# Altium PCB PowCarbinBoard.PcbDoc (continued)
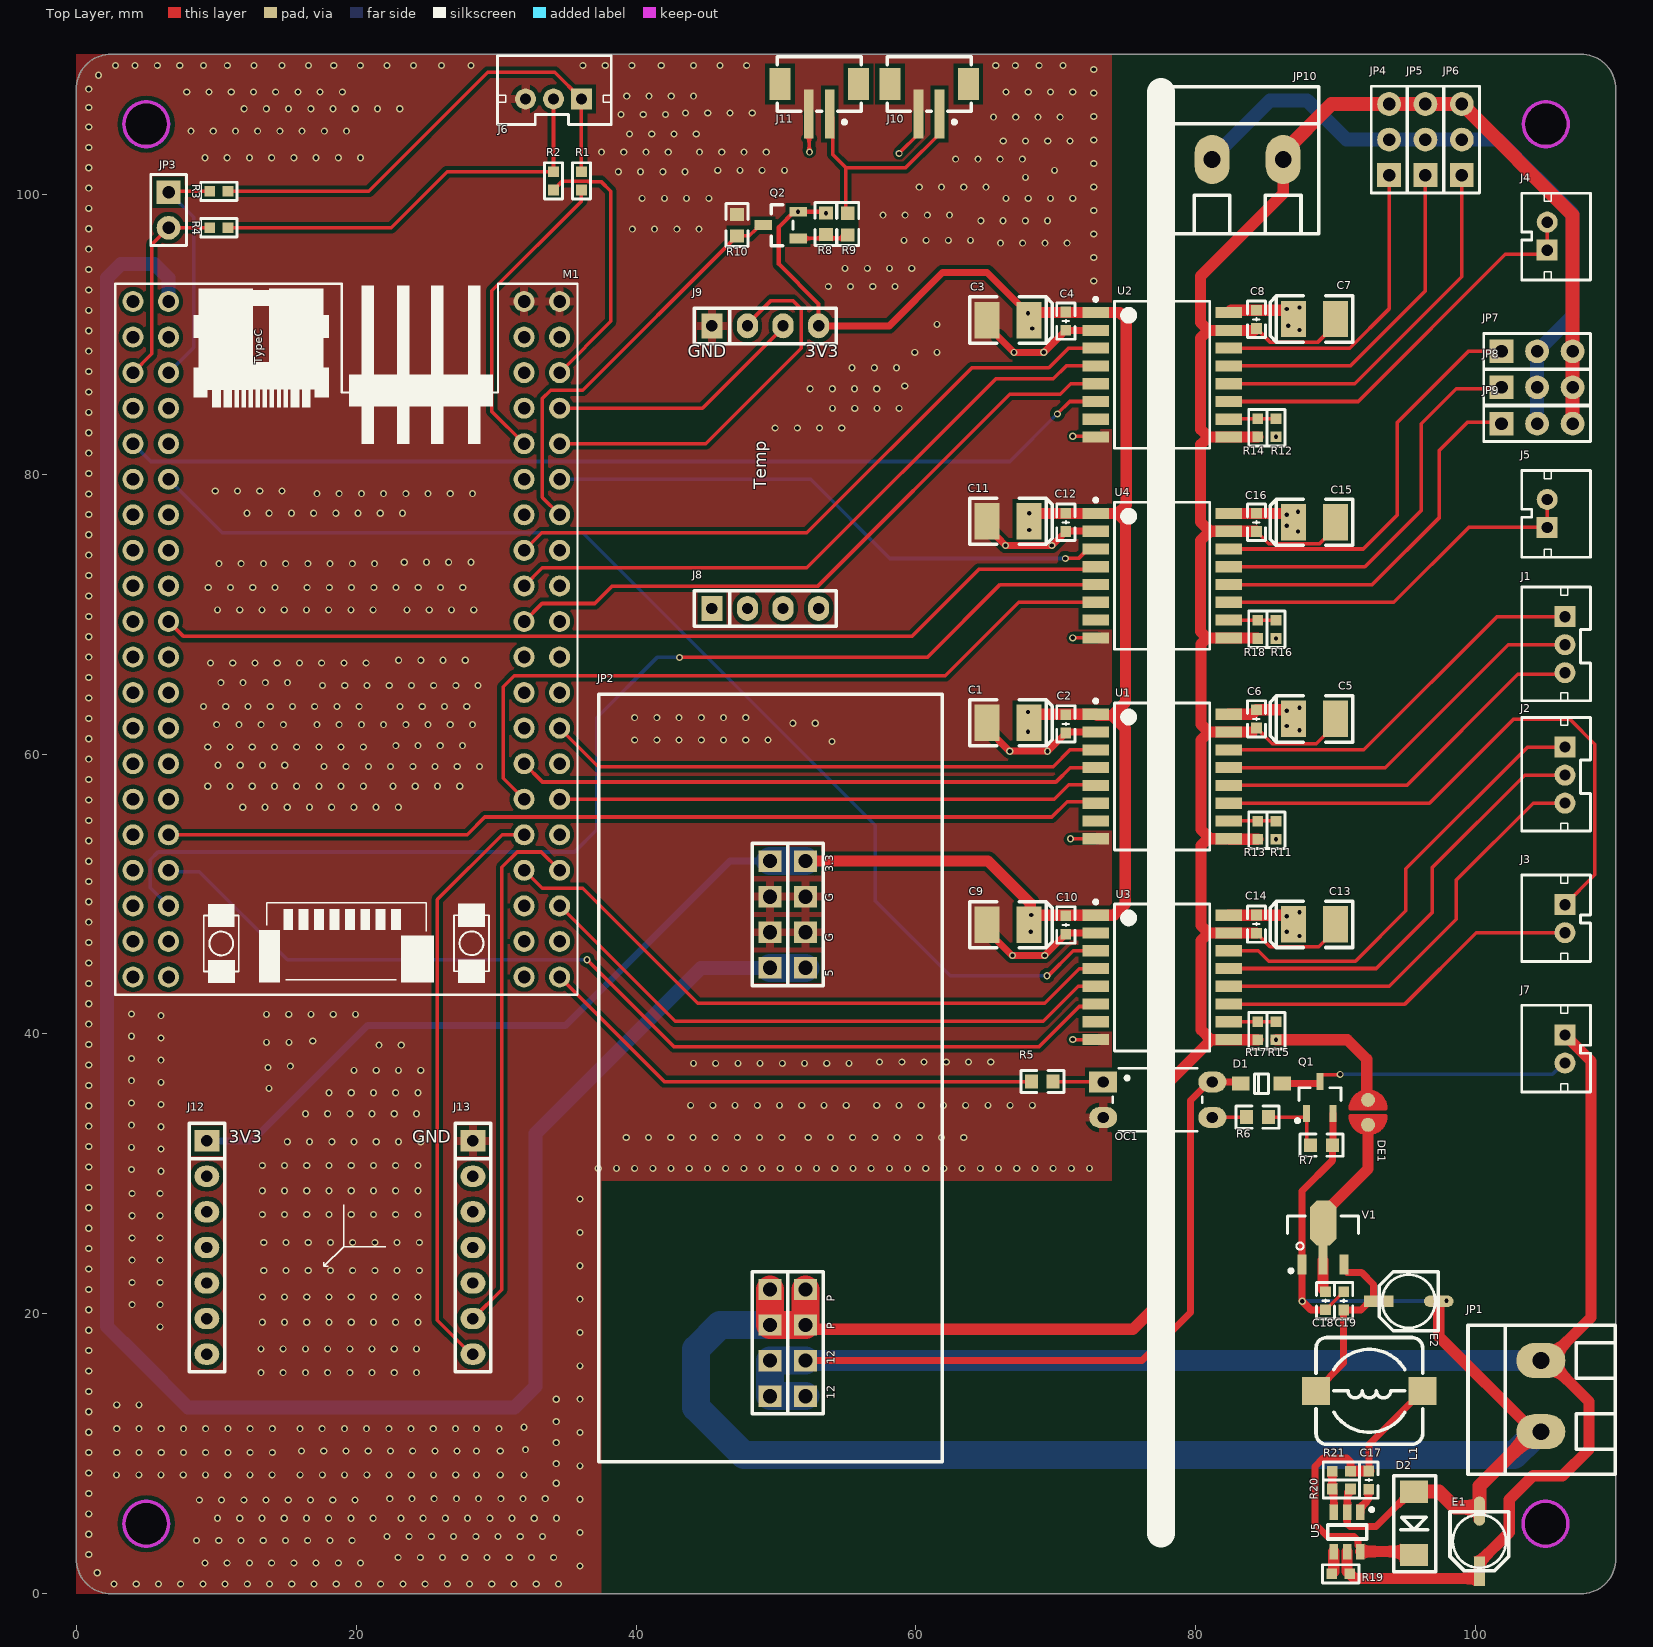
[diagram p0: Top Layer view]
## Nets (pads, with @x,y where several pads share a name; then routed paths per layer and width w, separated by ;. In a path a pad name is that pad's centre, name@x,y a point inside that pad or via, vN(x,y) a via of type N, cw(c..) or ccw(c..) an arc to the next point about the centre after c; other vN are vias at no path point)
3V3: C1.1 C2.2 C3.1 C4.2 C9.1 C10.2 C11.1 C12.2 J9.4 J12.1 JP2.12 JP2.13 Q2.2 R8.2 U1.1 U2.1 U3.1 U4.1 | length 170.7
  Top Layer w0.254: Q2.2@51.298,98.74 v1(51.573,98.74) ; JP2.12 JP2.12@52.735,51.712 ; R8.2@53.473,98.74 v1(53.569,98.644) ; C3.1@67.974,91.5 v1(68,91.5) ; C11.1 C11.1@68.628,77.187 ; C3.1 C3.1@68.603,91.538 ; C9.1@68.168,48.576 v1(68.244,48.5)
  Top Layer w0.3: Q2.2@51.298,98.74 50.2,97.642 50.2,95 53.04,92.16 J9.4 ; v1(51.573,98.74) R8.2@53.473,98.74
  Top Layer w0.5: J9.4 58.093,90.593 61.9,94.4 65.074,94.4 C3.1@67.974,91.5
  Top Layer w0.8: JP2.12 65.153,52.347 68.168,49.332 C9.1@68.168,48.576 ; C9.1 68.755,48.485 U3.1 74.138,48.485 74.951,49.298 74.951,61.82 74.025,62.747 ; C1.1 68.679,62.836 U1.1 72.933,62.747 74.025,62.747 ; C3.1@68.603,91.538 U2.1 73.884,91.538 73.896,91.55 74.559,91.55 75.027,91.081 75.027,77.797 74.418,77.187 74.977,76.629 74.977,63.698 74.025,62.747 ; C11.1@68.628,77.187 U4.1 73.627,77.187 73.628,77.188 74.417,77.188
  Bottom Layer w0.5: J12.1 12.565,32.365 20.8,40.6 34.962,40.6 46.709,52.347 JP2.13
  Bottom Layer w2: JP2.13 JP2.12
  other v1: 68.2,47.3 68,61.6 68,63 68.1,76 68.1,77.2 68.3,90.4
5V: JP2.9 JP2.16 M1.42 | length 157.7
  Bottom Layer w1: M1.42 6.6,94 5.605,94.995 3.195,94.995 2.2,94 2.2,19.1 4.4,16.9 8,13.3 31.3,13.3 32.8,14.8 32.8,32.9 44.627,44.727 JP2.16
  Bottom Layer w2: JP2.16 JP2.9
+3V3P: C5.1 C6.2 C7.1 C8.2 C13.1 C14.2 C15.1 C16.2 DE1.2 R11.2 R12.2 R15.2 R16.2 U1.16 U2.16 U3.16 U4.16 | length 30.5
  Top Layer w0.254: C13.1@86.305,48.485 C13.1 ; v1(86.5,77.1) 86.964,76.636 C15.1 ; 92.2,35.92 92.2,35.389 DE1.2
  Top Layer w0.8: U3.16 C13.1@86.305,48.485 ; U1.16 84.004,62.836 C6.2 86.315,63.156 C5.1 ; U4.16 86.329,77.187 C15.1 ; U2.16 82.51,91.706 C8.2 86.339,91.706 C7.1 ; v1(85.721,39.58) 90.82,39.58 92.2,38.2 92.2,35.92
  other v1: 87.4,47 86.5,47.3 86.5,48.4 87.4,48.7 85.721,53.906 87.4,61.7 86.5,62 86.5,63.1 87.4,63.3 85.721,68.257 87.3,75.9 86.5,76.3 87.3,77.3 85.721,82.659 87.4,90.3 86.6,90.6 86.5,91.8 87.4,91.9
+6: JP4.2 JP5.2 JP6.2 JP7.2 JP8.2 JP9.2 JP10.1 | length 46.9
  Bottom Layer w1: JP10.1 81.16,102.56 85.295,106.695 87.954,106.695 90.749,103.9 JP4.2 JP5.2 JP6.2 101.6,103.9 106.9,98.6 106.9,91.297 JP7.2 JP8.2 JP9.2
+12P: D1.2 E1.1 J7.1 JP1.2 JP2.1 JP2.2 JP2.7 JP2.8 OC1.4 R19.1 U5.5 | length 166.7
  Top Layer w0.254: OC1.4@80.924,36.573 OC1.4 ; D1.2@83.077,36.573 D1.2 ; R19.1@90.805,1.615 R19.1 ; E1.1 E1.1@100.254,2.259 ; JP1.2 JP1.2@105.148,16.662
  Top Layer w0.5: JP2.2 76.16,16.66 79.6,20.1 79.6,35.249 OC1.4@80.924,36.573 ; OC1.4 D1.2@83.077,36.573
  Top Layer w0.8: R19.1@90.805,1.615 U5.5 ; R19.1 91.32,1.1 100.254,1.1 E1.1 ; E1.1@100.254,2.259 102.387,4.393 102.387,6.731 104.089,8.433 106.197,8.433 108.077,10.312 108.077,13.733 105.148,16.662 108.229,19.744 108.229,38.056 J7.1
  Bottom Layer w0.254: JP2.2 JP2.2@52.102,16.662 ; OC1.4 OC1.4@81.327,36.573
  Bottom Layer w1.5: JP2.2@52.102,16.662 JP1.2
  Bottom Layer w2: JP2.1 JP2.8 JP2.7 JP2.2
GND: C1.2 C2.1 C3.2 C4.1 C9.2 C10.1 C11.2 C12.1 J6.3 J9.1 J10.2 J11.2 J13.1 JP2.10 JP2.11 JP2.14 JP2.15 M1.1 M1.2 OC1.2 R10.1 U1.2 U1.8 U2.2 U2.8 U3.2 U3.8 U4.2 U4.8 | length 51.9
  Top Layer w0.254: J11.2 52.369,105.696 52.369,103.031 v1(52.4,103) ; v1(58.8,102.9) 58.8,102.941 60.186,104.327 J10.2 ; C3.2 65.069,90.605 65.842,89.832 C3.2@65.868,89.832 ; C4.1 C4.1@70.72,90.268 ; v2@71,53.9 v2(71.046,53.946) U1.8 ; v2(71.2,39.6) U3.8@72.996,39.6 ; v2(71.2,68.3) U4.8@72.996,68.3 ; v2(71.2,82.7) U2.8@72.996,82.7 ; U3.8@72.293,39.595 U3.8
  Top Layer w0.5: C9.2 65.069,47.4 66.869,45.6 69.175,45.6 C10.1 70.79,47.215 U3.2 ; C1.2 65.069,61.827 v1(66.696,60.2) 69.409,60.2 C2.1 70.775,61.566 U1.2 ; C11.2 65.069,76.229 65.842,75.456 65.844,75.456 v1(66.4,74.9) v1(69.707,74.9) C12.1 70.725,75.917 U4.2 ; C3.2@65.868,89.832 v1(67,88.7) 69.123,88.7 69.127,88.704 v1(69.129,88.704) ; v1@69.131,88.7 C4.1 ; C4.1@70.72,90.268 U2.2
  Bottom Layer w0.254: v1@58.631,103 58.731,102.9 v1(58.8,102.9)
  other v1: 2.7,0.7 4.288,0.7 5.876,0.7 7.463,0.7 9.051,0.7 10.639,0.7 12.227,0.7 13.815,0.7 15.402,0.7 16.99,0.7 18.578,0.7 20.166,0.7 21.754,0.7 23.341,0.7 24.929,0.7 26.517,0.7 28.105,0.7 29.693,0.7 31.28,0.7 32.868,0.7 34.456,0.7 1.5,1.5 36,1.991 9.2,2.2 10.788,2.2 12.376,2.2 13.963,2.2 15.551,2.2 17.139,2.2 18.727,2.2 20.315,2.2 23,2.6 24.588,2.6 26.176,2.6 27.763,2.6 29.351,2.6 30.939,2.6 32.527,2.6 34.115,2.6 0.9,2.8 8.6,3.8 10.188,3.8 11.776,3.8 13.363,3.8 14.951,3.8 16.539,3.8 18.127,3.8 19.715,3.8 22.2,4.1 23.788,4.1 25.376,4.1 26.963,4.1 28.551,4.1 30.139,4.1 31.727,4.1 33.315,4.1 0.9,4.258 36,4.374 10.1,5.4 11.688,5.4 13.276,5.4 14.863,5.4 16.451,5.4 18.039,5.4 19.627,5.4 21.215,5.4 23.2,5.4 24.788,5.4 26.376,5.4 27.963,5.4 29.551,5.4 31.139,5.4 32.727,5.4 34.315,5.4 0.9,5.715 8.8,6.7 10.388,6.7 11.976,6.7 13.563,6.7 15.151,6.7 16.739,6.7 18.327,6.7 19.915,6.7 36,6.757 22.4,6.8 23.988,6.8 25.576,6.8 27.163,6.8 28.751,6.8 30.339,6.8 31.927,6.8 33.515,6.8 0.9,7.173 34.3,7.9 2.885,8.5 4.473,8.5 6.061,8.5 7.649,8.5 9.237,8.5 10.824,8.5 12.412,8.5 14,8.5 16,8.5 17.588,8.5 19.176,8.5 20.763,8.5 22.351,8.5 23.939,8.5 25.527,8.5 27.115,8.5 28.6,8.5 30.3,8.5 32,8.5 0.9,8.63 36,9.139 34.3,9.3 0.9,10.088 2.9,10.1 4.488,10.1 6.076,10.1 7.663,10.1 9.251,10.1 10.839,10.1 12.427,10.1 14.015,10.1 16.1,10.2 17.688,10.2 19.276,10.2 20.863,10.2 22.451,10.2 24.039,10.2 25.627,10.2 27.215,10.2 28.6,10.2 30.3,10.2 32.1,10.3 34.3,10.8 36,11.522 0.9,11.545 2.9,11.8 4.488,11.8 6.076,11.8 7.663,11.8 9.251,11.8 10.839,11.8 12.427,11.8 14.015,11.8 15.985,11.8 17.573,11.8 19.161,11.8 20.749,11.8 22.337,11.8 23.924,11.8 25.512,11.8 27.1,11.8 28.6,11.8 30.2,11.8 32,11.9 34.3,12.3 0.9,13.003 2.9,13.5 4.488,13.5 34.3,13.9 36,13.904 0.9,14.461 13.2,15.8 14.788,15.8 16.376,15.8 17.963,15.8 19.551,15.8 21.139,15.8 22.727,15.8 24.315,15.8 0.9,15.918 36,16.287 0.9,17.376 13.2,17.5 14.788,17.5 16.376,17.5 17.963,17.5 19.551,17.5 21.139,17.5 22.727,17.5 24.315,17.5 36,18.67 0.9,18.833 6,19.073 13.3,19.4 14.888,19.4 16.476,19.4 18.063,19.4 19.651,19.4 21.239,19.4 22.827,19.4 24.415,19.4 0.9,20.291 4,20.661 6,20.661 36,21.052 13.3,21.2 14.888,21.2 16.476,21.2 18.063,21.2 19.651,21.2 21.239,21.2 22.827,21.2 24.415,21.2 0.9,21.748 4,22.249 6,22.249 13.4,23.1 14.988,23.1 16.576,23.1 18.163,23.1 19.751,23.1 21.339,23.1 22.927,23.1 24.515,23.1 0.9,23.206 36,23.435 4,23.837 6,23.837 0.9,24.664 13.4,25.1 14.988,25.1 16.576,25.1 18.163,25.1 19.751,25.1 21.339,25.1 22.927,25.1 24.515,25.1 4,25.424 6,25.424 36,25.817 0.9,26.121 4,27.012 6,27.012 13.3,27.1 14.888,27.1 16.476,27.1 18.063,27.1 19.651,27.1 21.239,27.1 22.827,27.1 24.415,27.1 0.9,27.579 36,28.2 4,28.6 6,28.6 13.3,28.8 14.888,28.8 16.476,28.8 18.063,28.8 19.651,28.8 21.239,28.8 22.827,28.8 24.415,28.8 0.9,29.036 6.054,30.19 3.954,30.31 37.3,30.4 38.6,30.4 39.9,30.4 41.2,30.4 42.5,30.4 43.8,30.4 45.1,30.4 46.4,30.4 47.7,30.4 49,30.4 50.3,30.4 51.6,30.4 52.9,30.4 54.2,30.4 55.5,30.4 56.8,30.4 58.1,30.4 59.4,30.4 60.7,30.4 62,30.4 63.3,30.4 64.6,30.4 65.9,30.4 67.2,30.4 68.5,30.4 69.8,30.4 71.1,30.4 72.4,30.4 0.9,30.494 13.3,30.6 14.888,30.6 16.476,30.6 18.063,30.6 19.651,30.6 21.239,30.6 22.827,30.6 24.415,30.6 6.054,31.778 3.954,31.898 0.9,31.951 15.088,32.3 16.676,32.3 18.263,32.3 19.851,32.3 21.439,32.3 23.027,32.3 24.615,32.3 39.3,32.6 40.888,32.6 42.476,32.6 44.063,32.6 45.651,32.6 47.239,32.6 48.827,32.6 50.415,32.6 52.3,32.6 53.888,32.6 55.476,32.6 57.063,32.6 58.651,32.6 60.239,32.6 61.827,32.6 63.415,32.6 6.054,33.365 0.9,33.409 3.954,33.486 16.376,34.3 17.963,34.3 19.551,34.3 21.139,34.3 22.727,34.3 24.315,34.3 0.9,34.867 43.9,34.9 45.488,34.9 47.076,34.9 48.663,34.9 50.251,34.9 51.839,34.9 53.427,34.9 55.015,34.9 57.2,34.9 58.788,34.9 60.376,34.9 61.963,34.9 63.551,34.9 65.139,34.9 66.727,34.9 68.315,34.9 6.054,34.953 3.954,35.074 18.063,35.8 19.651,35.8 21.239,35.8 22.827,35.8 24.415,35.8 13.77,36.114 0.9,36.324 6.054,36.541 3.954,36.661 19.851,37.4 21.439,37.4 23.027,37.4 24.615,37.4 13.7,37.6 15.3,37.7 0.9,37.782 44.1,37.9 45.688,37.9 47.276,37.9 48.863,37.9 50.451,37.9 52.039,37.9 53.627,37.9 55.215,37.9 57.4,38 58.988,38 60.576,38 62.163,38 63.751,38 65.339,38 6.054,38.129 3.954,38.249 21.639,39.2 23.227,39.2 0.9,39.239 13.6,39.4 15.2,39.4 16.9,39.5 6.054,39.717 3.954,39.837 0.9,40.697 6.054,41.304 13.6,41.4 15.188,41.4 16.776,41.4 18.363,41.4 19.951,41.4 3.954,41.425 0.9,42.154 0.9,43.612 0.9,45.07 66.9,45.6 69.2,45.6 0.9,46.527 0.9,47.985 0.9,49.442 0.9,50.9 0.9,52.342 0.9,53.8 0.9,55.258 11.9,56.2 13.488,56.2 15.076,56.2 16.663,56.2 18.251,56.2 19.839,56.2 21.427,56.2 23.015,56.2 0.9,56.715 9.4,57.7 10.988,57.7 12.576,57.7 14.163,57.7 15.751,57.7 17.339,57.7 18.927,57.7 20.515,57.7 22.637,57.7 24.224,57.7 25.812,57.7 27.4,57.7 0.9,58.173 17.7,59.1 19.288,59.1 20.876,59.1 22.463,59.1 24.051,59.1 25.639,59.1 27.227,59.1 28.815,59.1 10.137,59.2 11.724,59.2 13.312,59.2 14.9,59.2 0.9,59.63 69.4,60.2 9.4,60.5 10.988,60.5 12.576,60.5 14.163,60.5 15.751,60.5 17.339,60.5 18.927,60.5 20.515,60.5 22.837,60.6 24.424,60.6 26.012,60.6 27.6,60.6 54,60.9 39.9,61 41.488,61 43.076,61 44.663,61 46.251,61 47.839,61 49.427,61 0.9,61.088 10.037,62.1 11.624,62.1 13.212,62.1 14.8,62.1 17.2,62.1 18.788,62.1 20.376,62.1 21.963,62.1 23.551,62.1 25.139,62.1 26.727,62.1 28.315,62.1 51.2,62.2 52.8,62.2 0.9,62.545 39.9,62.6 41.488,62.6 43.076,62.6 44.663,62.6 46.251,62.6 47.839,62.6 9.1,63.4 10.688,63.4 12.276,63.4 13.863,63.4 15.451,63.4 17.039,63.4 18.627,63.4 20.215,63.4 23.137,63.4 24.724,63.4 26.312,63.4 27.9,63.4 0.9,64.003 17.6,64.9 19.188,64.9 20.776,64.9 22.363,64.9 23.951,64.9 25.539,64.9 27.127,64.9 28.715,64.9 10.337,65.1 11.924,65.1 13.512,65.1 15.1,65.1 0.9,65.461 9.6,66.5 11.188,66.5 12.776,66.5 14.363,66.5 15.951,66.5 17.539,66.5 19.127,66.5 20.715,66.5 23.037,66.7 24.624,66.7 26.212,66.7 27.8,66.7 0.9,66.918 0.9,68.376 0.9,69.833 10.1,70.3 11.688,70.3 13.276,70.3 14.863,70.3 16.451,70.3 18.039,70.3 19.627,70.3 21.215,70.3 23.637,70.3 25.224,70.3 26.812,70.3 28.4,70.3 0.9,71.291 9.437,71.9 11.024,71.9 12.612,71.9 14.2,71.9 16.5,71.9 18.088,71.9 19.676,71.9 21.263,71.9 22.851,71.9 24.439,71.9 26.027,71.9 27.615,71.9 0.9,72.748 10.2,73.6 11.788,73.6 13.376,73.6 14.963,73.6 16.551,73.6 18.139,73.6 19.727,73.6 21.315,73.6 23.437,73.7 25.024,73.7 26.612,73.7 28.2,73.7 0.9,74.206 0.9,75.664 0.9,77.121 12.2,77.2 13.788,77.2 15.376,77.2 16.963,77.2 18.551,77.2 20.139,77.2 21.727,77.2 23.315,77.2 0.9,78.579 17.2,78.6 18.788,78.6 20.376,78.6 21.963,78.6 23.551,78.6 25.139,78.6 26.727,78.6 28.315,78.6 9.937,78.8 11.524,78.8 13.112,78.8 14.7,78.8 0.9,80.036 0.9,81.494 0.9,82.951 49.937,83.3 51.524,83.3 53.112,83.3 54.7,83.3 0.9,84.409 54.037,84.7 55.624,84.7 57.212,84.7 58.8,84.7 0.9,85.867 52.437,86.1 54.024,86.1 55.612,86.1 57.2,86.1 59.2,86.3 0.9,87.324 55.437,87.6 57.024,87.6 58.612,87.6 59.912,88.7 61.5,88.7 0.9,88.782 0.9,90.239 61.5,90.7 0.9,91.697 0.9,93.154 53.737,93.4 55.324,93.4 56.912,93.4 58.5,93.4 72.7,93.8 0.9,94.612 54.937,94.7 56.524,94.7 58.112,94.7 59.7,94.7 72.7,95.478 0.9,96.07 66.037,96.5 67.624,96.5 69.212,96.5 70.8,96.5 59.137,96.7 60.724,96.7 62.312,96.7 63.9,96.7 72.7,97.156 39.737,97.5 41.324,97.5 42.912,97.5 44.5,97.5 0.9,97.527 64.637,98.1 66.224,98.1 67.812,98.1 69.4,98.1 57.637,98.5 59.224,98.5 60.812,98.5 62.4,98.5 72.7,98.833 0.9,98.985 40.437,99.7 42.024,99.7 43.612,99.7 45.2,99.7 66.437,99.7 68.024,99.7 69.612,99.7 71.2,99.7 0.9,100.427 60.237,100.5 61.824,100.5 63.412,100.5 65,100.5 72.7,100.511 67.824,101.2 38.737,101.6 40.324,101.6 41.912,101.6 43.5,101.6 45.837,101.7 47.424,101.7 49.012,101.7 50.6,101.7 69.9,101.7 0.9,101.885 72.7,102.189 62.837,102.5 64.424,102.5 66.012,102.5 67.6,102.5 9.2,102.6 10.788,102.6 12.376,102.6 13.963,102.6 15.551,102.6 17.139,102.6 18.727,102.6 20.315,102.6 37.537,103 39.124,103 40.712,103 42.3,103 44.537,103 46.124,103 47.712,103 49.3,103 0.9,103.342 66.237,103.8 67.824,103.8 69.412,103.8 71,103.8 72.7,103.867 39.537,104.3 41.124,104.3 42.712,104.3 44.3,104.3 8.2,104.5 9.788,104.5 11.376,104.5 12.963,104.5 14.551,104.5 16.139,104.5 17.727,104.5 19.315,104.5 0.9,104.8 65.537,105.5 67.124,105.5 68.712,105.5 70.3,105.5 72.7,105.544 38.924,105.7 40.512,105.7 42.1,105.7 43.537,105.8 45.124,105.8 46.712,105.8 48.3,105.8 12,106.1 13.588,106.1 15.176,106.1 16.763,106.1 18.351,106.1 19.939,106.1 21.527,106.1 23.115,106.1 39.337,107 40.924,107 42.512,107 44.1,107 72.7,107.222 7.9,107.3 9.488,107.3 11.076,107.3 12.663,107.3 14.251,107.3 15.839,107.3 17.427,107.3 19.015,107.3 66.437,107.3 68.024,107.3 69.612,107.3 71.2,107.3 72.7,108.9
  other v2: 0.9,106.2 0.9,107.5 1.6,108.5 2.8,109.2 4.2,109.2 5.8,109.2 7.4,109.2 9.1,109.2 10.8,109.2 12.7,109.2 14.7,109.2 16.6,109.2 18.4,109.2 20.3,109.2 22.2,109.2 24.1,109.2 26.1,109.2 28.2,109.2 36.2,109.2 37.8,109.2 39.7,109.2 41.8,109.2 44.1,109.2 46,109.2 47.9,109.2 65.7,109.2 67.1,109.2 68.8,109.2 70.5,109.2
NetC17_1: C17.1 D2.2 L1.1 R21.2 U5.6 | length 24.7
  Top Layer w0.254: R21.2 R21.2@91.064,8.778 ; U5.6@91.582,3.19 U5.6 ; D2.2@95.332,3.017 D2.2
  Top Layer w0.5: R21.2 91.049,9.451 90.8,9.7 89.1,9.7 88.5,9.1 88.5,5 89.4,4.1 91.289,4.1 91.582,3.807 91.582,3.44 91.705,3.317 U5.6@91.705,3.19 ; C17.1 92.354,10.654 L1.1
  Top Layer w0.8: R21.2@91.064,8.778 C17.1 ; U5.6 D2.2@95.332,3.017
NetC17_2: C17.2 U5.1 | length 1.9
  Top Layer w0.5: U5.1 91.805,5.867 91.805,6.196 92.309,6.701 92.309,7.433 C17.2
NetC18_2: C18.2 DE1.1 V1.2 | length 10.7
  Top Layer w0.254: C18.2@89.086,21.77 C18.2 ; V1.2@89.086,26.494 V1.2@89.086,27.144 ; 92.3,32.876 DE1.1
  Top Layer w0.8: C18.2@89.086,21.77 V1.2@89.086,23.853 ; V1.2@89.086,27.144 92.3,30.358 92.3,32.876
NetC19_2: C19.2 E2.1 L1.2 V1.3 | length 13.2
  Top Layer w0.5: L1.2 90.559,16.479 C19.2 91.782,20.282 92.4,20.9 92.725,20.9 92.7,20.925 92.7,22.1 91.847,22.953 90.784,22.953 90.586,23.151 V1.3
NetD1_1: D1.1 J7.2 Q1.3 | length 21
  Top Layer w0.254: Q1.3@88.737,36.446 88.86,36.569 Q1.3@88.882,36.547 ; Q1.3 88.86,36.948 88.983,37.071 90.271,37.071 v2@90.3,37.1
  Top Layer w0.5: D1.1 Q1.3@88.737,36.446
  Bottom Layer w0.254: v2(90.307,37.113) 105.476,37.113 106.28,37.917 J7.2
NetJ1_1: J1.1 U1.14 | length 28
  Top Layer w0.254: U1.14 91.996,60.296 101.509,69.809 J1.1
NetJ1_2: J1.2 U1.13 | length 27.7
  Top Layer w0.254: U1.13 93.526,59.026 102.309,67.809 J1.2
NetJ1_3: J1.3 U1.12 | length 27.4
  Top Layer w0.254: U1.12 95.056,57.756 103,65.7 106.259,65.7 J1.3
NetJ2_1: J2.1 U3.14 | length 32.4
  Top Layer w0.254: U3.14 84.455,45.945 85.2,45.2 91.4,45.2 95,48.8 95,51.8 103.691,60.491 J2.1
NetJ2_2: J2.2 U3.13 | length 31.6
  Top Layer w0.254: U3.13 92.875,44.675 96.9,48.7 96.9,51.9 103.491,58.491 J2.2
NetJ2_3: J2.3 U3.12 | length 31.1
  Top Layer w0.254: U3.12 93.805,43.405 98.6,48.2 98.6,51 104.091,56.491 J2.3
NetJ3_1: J3.1 U1.11 | length 41.7
  Top Layer w0.254: U1.11 96.686,56.486 102.7,62.5 106.7,62.5 108.5,60.7 108.5,51.367 J3.1
NetJ3_2: J3.2 U3.11 | length 26.4
  Top Layer w0.254: U3.11@82.543,41.935 U3.11 94.935,42.135 100.035,47.235 J3.2
NetJ4_1: J4.1 J4.2 U2.11 | length 29.2
  Top Layer w0.254: U2.11 91.588,85.188 102.1,95.7 104.8,95.7 J4.1 J4.2
NetJ5_1: J5.1 J5.2 U4.11 | length 27
  Top Layer w0.254: U4.11 94.137,70.837 99.488,76.188 J5.1 J5.2
NetJ6_1: J6.1 R1.2 R3.2 | length 34.8
  Top Layer w0.254: R3.2 20.9,100.2 29.4,108.7 34.2,108.7 J6.1 R1.2
NetJ6_2: J6.2 R2.2 R4.2 | length 30.1
  Top Layer w0.254: R4.2 22.5,97.6 26.5,101.6 R2.2 J6.2
NetJ9_2: J9.2 M1.10 | length 27.8
  Top Layer w0.254: M1.10 44.97,82.17 51.8,89 51.8,91.8 51.2,92.4 49.64,92.4 47.96,90.72 J9.2
NetJ9_3: J9.3 M1.8 | length 18.5
  Top Layer w0.254: M1.8 44.744,84.71 50.5,90.466 J9.3
NetJ10_1: J10.1 J11.1 R9.1 | length 16.7
  Top Layer w0.254: J11.1 54.061,105.504 54.061,102.83 54.99,101.9 ; R9.1 54.99,98.764 54.99,101.9 ; J10.1 61.686,104.327 59.259,101.9 54.99,101.9
NetJ13_6: J13.6 M1.34 | length 38.2
  Top Layer w0.254: J13.6 30.4,21.719 30.4,51.9 31.5,53 33.23,53 M1.34
NetJ13_7: J13.7 M1.31 | length 41.7
  Top Layer w0.254: J13.7 28.218,17.125 25.8,19.543 25.8,49.6 30.43,54.23 M1.31
NetJP3_1: JP3.1 M1.46 R3.1 | length 17.4
  Top Layer w0.254: JP3.1 6.66,100.2 R3.1
  Bottom Layer w0.254: M1.46 8.4,89.05 8.4,98.34 JP3.1
NetJP3_2: JP3.2 M1.45 R4.1 | length 14.4
  Top Layer w0.254: M1.45 5.4,88.59 5.4,96.4 JP3.2 R4.1
NetJP4_1: JP4.1 U2.14 | length 22.2
  Top Layer w0.254: U2.14 90.998,88.998 93.8,91.8 JP4.1
NetJP5_1: JP5.1 U2.13 | length 24.5
  Top Layer w0.254: U2.13 91.028,87.728 96.4,93.1 JP5.1
NetJP6_1: JP6.1 U2.12 | length 27.1
  Top Layer w0.254: U2.12 91.358,86.458 99,94.1 JP6.1
NetJP7_1: JP7.1 U4.14 | length 29.5
  Top Layer w0.254: U4.14@82.546,74.444 U4.14 91.947,74.647 94.4,77.1 94.4,83.7 99.473,88.773 JP7.1
NetJP8_1: JP8.1 U4.13 | length 28.4
  Top Layer w0.254: U4.13 92.077,73.377 96.1,77.4 96.1,83.6 98.6,86.1 101.736,86.1 JP8.1
NetJP9_1: JP9.1 U4.12 | length 27.1
  Top Layer w0.254: U4.12 92.607,72.107 97.4,76.9 97.4,81.7 99.4,83.7 101.736,83.7 JP9.1
NetM1_6: M1.6 R2.1 | length 19.1
  Top Layer w0.254: R2.1 34.708,100.908 36.575,100.908 36.583,100.9 37.5,100.9 38.2,100.2 38.2,90.91 M1.6
NetM1_9: M1.9 R1.1 | length 21.7
  Top Layer w0.254: M1.9 29.7,84.47 29.7,93.1 36.1,99.5 R1.1
NetM1_12: M1.12 U4.3 | length 40.9
  Top Layer w0.254: v2@70.7,74 71.645,74 72.293,74.647 U4.3
  Bottom Layer w0.254: M1.12 52.47,79.63 58.129,73.971 v2@70.667,73.971
  other v2: 70.672,73.971
NetM1_14: M1.14 Q2.3 R10.2 | length 29.8
  Top Layer w0.254: M1.14 33.3,78.33 33.3,85.4 33.9,86 36.199,86 46.856,96.657 46.856,96.682 47.194,97.02 48.09,97.02 48.575,97.505 48.575,97.567 48.798,97.79 Q2.3
NetM1_15: M1.15 U2.3 | length 46.8
  Top Layer w0.254: M1.15 33.25,75.8 52.2,75.8 64,87.6 69.5,87.6 70.898,88.998 U2.3
NetM1_17: M1.17 U2.4 | length 47.4
  Top Layer w0.254: M1.17 33.29,73.3 52.2,73.3 65.712,86.812 69.812,86.812 70.728,87.728 U2.4
NetM1_19: M1.19 U2.5 | length 47.9
  Top Layer w0.254: M1.19 33.284,70.754 37.054,70.754 38.3,72 53,72 66.7,85.7 70.3,85.7 71.058,86.458 U2.5
NetM1_26: M1.26 U1.3 | length 39.9
  Top Layer w0.254: M1.26 37.29,59.1 69.8,59.1 71,60.3 72.839,60.3 U1.3
NetM1_27: M1.27 U1.4 | length 41.8
  Top Layer w0.254: M1.27 33.31,58 70,58 71.026,59.026 U1.4
NetM1_29: M1.29 U4.6 | length 53.5
  Top Layer w0.254: M1.29 30.5,58.27 30.5,64.8 31.3,65.6 62.1,65.6 67.337,70.837 U4.6
NetM1_30: M1.30 U1.5 | length 38.7
  Top Layer w0.254: M1.30 69.88,56.77 70.91,57.8 72.799,57.8 U1.5
NetM1_33: M1.33 U3.4 | length 45.8
  Top Layer w0.254: M1.33 33.29,50.4 36.2,50.4 44.4,42.2 69.2,42.2 71.661,44.661 72.828,44.661 U3.4
NetM1_36: M1.36 U3.5 | length 42.8
  Top Layer w0.254: M1.36 42.79,40.9 69.1,40.9 71.605,43.405 U3.5
NetM1_40: M1.40 R5.2 | length 36.8
  Top Layer w0.254: M1.40 42.01,36.6 R5.2
NetM1_49: M1.49 U2.6 | length 71.1
  Top Layer w0.254: v2(70.1,84.3) 70.988,85.188 U2.6
  Bottom Layer w0.254: M1.49 5.33,80.9 66.7,80.9 v2(70.1,84.3)
NetM1_50: M1.50
NetM1_52: M1.52 U3.3 | length 84.8
  Top Layer w0.254: v2@69.4,44.1 71.245,45.945 U3.3
  Bottom Layer w0.254: M1.52 10.43,75.8 36.2,75.8 57.1,54.9 57.1,49.5 62.441,44.159 v2(69.364,44.159)
NetM1_60: M1.60 U4.4 | length 68.8
  Top Layer w0.254: M1.60 7.67,68.4 59.7,68.4 64.5,73.2 72.665,73.2 U4.4 U4.4@72.82,73.4
NetM1_72: M1.72 U1.6 | length 67.3
  Top Layer w0.254: M1.72 27.93,54.23 29.2,55.5 69.7,55.5 70.8,56.6 72.729,56.6 U1.6
NetM1_74: M1.74 U3.6 | length 72.7
  Top Layer w0.254: v2(36.5,45.3) 42.7,39.1 68.8,39.1 71.661,41.961 72.668,41.961 U3.6
  Bottom Layer w0.254: M1.74 6.69,51.6 8.8,51.6 15.1,45.3 v2(36.5,45.3)
NetM1_76: M1.76 U4.5 | length 84.2
  Top Layer w0.254: v2(43.1,66.9) 60.8,66.9 66.007,72.107 U4.5
  Bottom Layer w0.254: M1.76 5.3,50.45 5.3,52.451 5.849,53 35.6,53 37.196,54.596 37.196,62.596 41.5,66.9 v2(43.1,66.9)
NetOC1_1: OC1.1 R5.1 | length 3.6
  Top Layer w0.254: R5.1 69.827,36.573 OC1.1
NetOC1_3: OC1.3 R6.1 | length 2.5
  Top Layer w0.254: OC1.3 83.605,34.033 R6.1
NetQ1_1: Q1.1 R6.2 R7.2 | length 5.2
  Top Layer w0.254: R6.2 87.787,34.058 Q1.1@87.91,34.181 ; Q1.1 Q1.1@87.91,34.181 ; R7.2 87.91,32.343 Q1.1@87.91,34.181
NetQ2_1: Q2.1 R8.1 R9.2 | length 3.7
  Top Layer w0.254: Q2.1 54.862,96.84 R9.2
NetR11_1: R11.1 R13.2 U1.10 | length 3.4
  Top Layer w0.254: U1.10 85.71,55.216 R11.1
NetR12_1: R12.1 R14.2 U2.10 | length 3.4
  Top Layer w0.254: U2.10 82.383,83.959 R12.1
NetR15_1: R15.1 R17.2 U3.10 | length 3.4
  Top Layer w0.254: U3.10 85.706,40.865 R15.1
NetR16_1: R16.1 R18.2 U4.10 | length 3.4
  Top Layer w0.254: U4.10 82.353,69.557 R16.1
NetR19_2: R19.2 U5.4 | length 1.7
  Top Layer w0.254: R19.2 R19.2@89.855,1.58
  Top Layer w0.8: R19.2@89.855,1.58 U5.4
NetR20_1: R20.1 R21.1 U5.3 | length 3
  Top Layer w0.254: R20.1 R20.1@89.855,7.386
  Top Layer w0.5: R20.1 R21.1 ; U5.3 R20.1@89.855,7.386
PGND: C5.2 C6.1 C7.2 C8.1 C13.2 C14.1 C15.2 C16.1 C18.1 C19.1 D2.1 E1.2 E2.2 JP1.1 JP2.3 JP2.4 JP2.5 JP2.6 JP4.3 JP5.3 JP6.3 JP7.3 JP8.3 JP9.3 JP10.2 Q1.2 R7.1 R13.1 R14.1 R17.1 R18.1 R20.2 U1.9 U1.15 U2.9 U2.15 U3.9 U3.15 U4.9 U4.15 U5.2 V1.1 | length 353.4
  Top Layer w0.254: U1.9 U1.9@82.383,53.906 ; C6.1@84.034,61.566 C6.1 85.452,60.728 88.587,60.728 89.965,62.106 C5.2 ; C8.1@84.187,90.268 C8.1 85.325,89.405 88.688,89.405 89.964,90.681 C7.2 ; C14.1@84.309,47.215 C14.1 85.299,46.225 88.765,46.225 89.965,47.425 C13.2 ; C16.1@84.309,75.917 85.206,75.02 88.832,75.02 89.964,76.152 C15.2 ; R18.1@84.385,68.297 R18.1 ; R14.1@84.415,82.648 R14.1 ; C18.1 89.518,20.546 89.523,20.546 C19.1 ; U5.2 U5.2@90.82,5.832 ; R20.2@90.82,7.264 R20.2 ; D2.1@95.38,7.304 D2.1 D2.1@96.164,7.888 ; E1.2@100.002,6.172 100.254,5.92 E1.2 ; JP1.1@104.148,11.582 JP1.1
  Top Layer w0.5: C18.1 88.208,20.292 v2(87.6,20.9) 87.6,20.902 87.586,20.916 87.586,28.786 89.742,30.942 R7.1 ; R7.1@89.81,32.12 Q1.2 ; U5.2 90.805,5.004 91.009,4.8 92.876,4.8 D2.1@95.38,7.304 ; U5.2@90.82,5.832 R20.2@90.82,7.264
  Top Layer w0.8: JP2.3 52.4,18.9 75.5,18.9 77.3,20.7 77.3,35.793 81.088,39.58 ; U1.9 81.022,53.946 ; U1.9@82.383,53.906 R13.1 ; C6.1@84.034,61.566 U1.15 80.92,61.566 ; C8.1@84.187,90.268 U2.15 80.895,90.268 ; C14.1@84.309,47.215 U3.15 80.895,47.215 ; C16.1@84.309,75.917 U4.15 80.996,75.917 ; R18.1@84.385,68.297 U4.9 80.793,68.297 ; R14.1@84.415,82.648 U2.9 80.895,82.648 ; R17.1 81.088,39.58 ; 86.24,100.7 86.24,100.04 80.336,94.136 80.336,90.827 80.895,90.268 ; R7.1 R7.1@89.81,32.12 ; E2.2 97.35,18.38 JP1.1@104.148,11.582 ; 80.793,68.297 80.336,68.755 80.336,75.257 80.996,75.917 ; 80.793,68.297 80.361,67.866 80.361,62.125 80.92,61.566 ; 80.895,47.215 80.361,47.749 80.361,53.452 80.855,53.946 81.022,53.946 ; 80.895,47.215 80.361,46.682 80.361,40.307 81.088,39.58 ; 80.895,82.648 80.336,82.09 80.336,76.578 80.996,75.917 ; 80.895,82.648 80.336,83.207 80.336,89.71 80.895,90.268 ; 80.92,61.566 80.361,61.008 80.361,54.607 81.022,53.946
  Top Layer w1: JP10.2 86.24,102.976 89.704,106.44 JP4.3 JP5.3 JP6.3 106.916,98.524 JP7.3 JP8.3 JP9.3 ; D2.1 97.369,7.304 98.501,6.172 E1.2@100.002,6.172 ; E1.2@100.254,5.92 100.254,7.688 JP1.1@104.148,11.582
  Top Layer w2: JP2.5 JP2.6 JP2.3 JP2.4
  Bottom Layer w0.254: v2(87.6,20.9) 87.621,20.921 97.879,20.921 v2@97.9,20.9
  Bottom Layer w2: JP2.6 46,19.2 44.3,17.5 44.3,13.3 47.7,9.9 102.726,9.9 103.898,11.072 103.898,11.197 104.283,11.582 JP1.1
  other v2: 97.907,20.942
pads on no net: J8.1 J8.2 J8.3 J8.4 J10.3 J10.4 J11.3 J11.4 J12.2 J12.3 J12.4 J12.5 J12.6 J12.7 J13.2 J13.3 J13.4 J13.5 M1.3 M1.4 M1.5 M1.7 M1.11 M1.13 M1.16 M1.18 M1.20 M1.21 M1.22 M1.23 M1.24 M1.25 M1.28 M1.32 M1.35 M1.37 M1.38 M1.39 M1.41 M1.43 M1.44 M1.47 M1.48 M1.51 M1.53 M1.54 M1.55 M1.56 M1.57 M1.58 M1.59 M1.61 M1.62 M1.63 M1.64 M1.65 M1.66 M1.67 M1.68 M1.69 M1.70 M1.71 M1.73 M1.75 M1.77 M1.78 M1.79 M1.80 U1.7 U2.7 U3.7 U4.7

## Polygon pours and split planes (outlines as drawn)
GND on Bottom Layer "GND_L02_P000" (solid, remove dead copper, pour order 0): 0,0 74,0 74,110 0,110
+3V3P on Bottom Layer "+3V3P_L02_P001" (solid, pour order 1): 85.094,38.8 87.9,38.8 87.9,92.8 87.5,92.8 85.3,92.8
GND on Top Layer "GND_L01_P002" (solid, remove dead copper, pour order 2): 0,0 74,0 74,110 0,110

## Keep-outs
Keep-Out Layer:
  circle w0.254: c105.004,105.004 r1.6
  circle w0.254: c104.978,5.004 r1.6
  circle w0.254: c5.004,5.004 r1.6
  circle w0.254: c5.004,105.004 r1.6

## Other copper
Top Layer:
  pour cut-out: 74,0 37.5,0 37.5,0.4 37.5,29.5 74,29.5
Bottom Layer:
  pour cut-out: 37.5,0 74,0 74,29.5 73.8,29.5 37.5,29.5

## Silkscreen, mask and mechanical layers (free items; w line width, h text height)
Top Overlay:
  lines w0.1: 17.693,23.693 17.693,23.393 ; 17.993,23.393 17.693,23.393 ; 19.1,27.8 19.1,24.8 22.1,24.8 ; 19.107,24.807 17.693,23.393
  lines w2: 77.5,4.3 77.5,107.3
  text "GND" at 43.7,88.017 h1.52
  text "3V3" at 52.1,88.017 h1.52
  text "Temp" at 49.629,78.9 h1.52 r90
  text "3V3" at 10.9,31.917 h1.52
  text "GND" at 24,31.917 h1.52
Bottom Overlay:
  drawing of 10 lines, arcs and shapes, not listed
Mechanical 1:
  circle w0.254: c4.993,4.993 r1.6
  circle w0.254: c104.993,104.993 r1.6
  circle w0.254: c104.993,4.993 r1.6
  circle w0.254: c4.993,104.993 r1.6
  lines w0.254: 2.489,110 107.511,110 cw(c107.511,107.511) 110,107.511 110,2.5 cw(c107.5,2.5) 107.5,0 2.5,0 cw(c2.5,2.5) 0,2.5 0,107.5 cw(c2.5,107.5) 2.5,110

## Text inside footprints (layer, text, board x,y; h text height)
JP2: Top Overlay "5        G         G      3.3" at 54.3,44.1 h1 r90; Top Overlay "12      12      P      P" at 54.4,13.9 h1 r90
M1: Top Overlay "TypeC" at 13.491,87.898 h1 r90